# Altium PCB Clocker.PCBDOC (part 2 of 2)
Units mm, origin at the board's own origin, x right, y up, seen from the top; angles counter-clockwise.
Board outline 81.34 x 100 mm, 4 copper layers (Top, MP(G), L3, Bot), stack 1.624 mm thick; 210 components, 110 nets, 627 pads, 308 vias.
Unrouted connection lines stored in the file: 5.
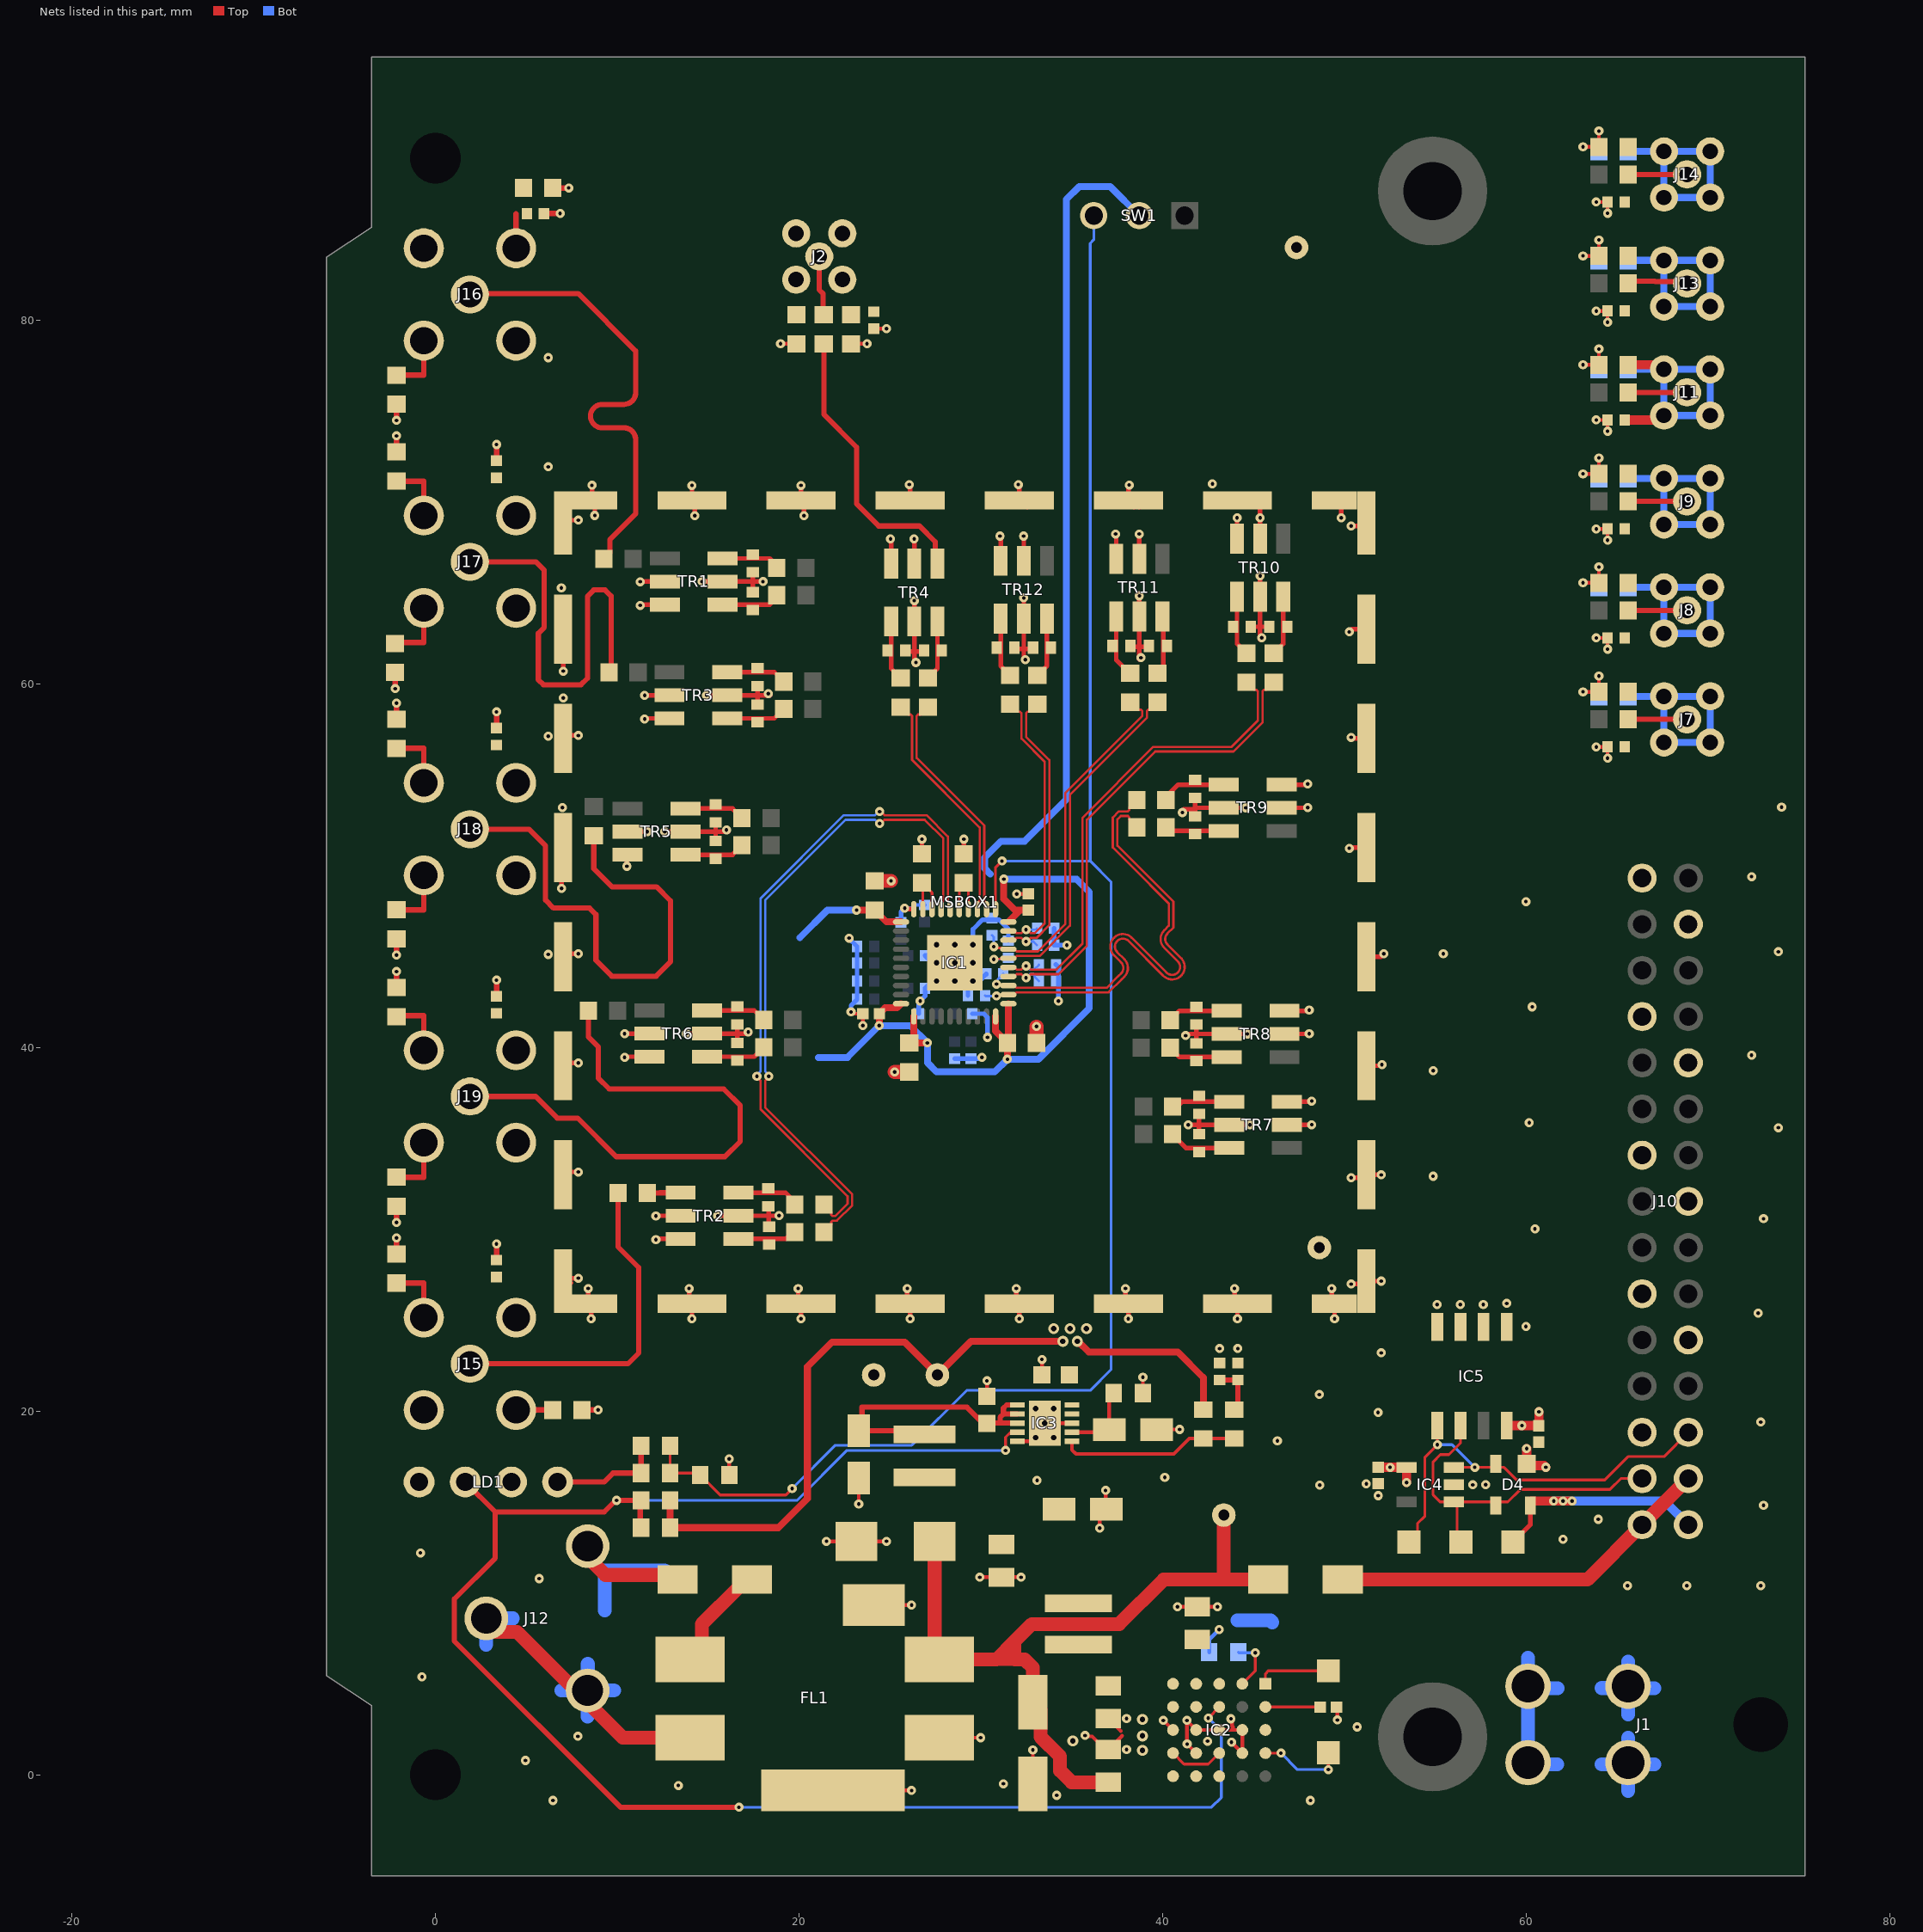
[diagram p4: the nets of this part, all layers, seen from the top]

## Via types
v1: diameter 0.5, hole 0.2, Top to Bot, tented both sides, 281 vias
v2: diameter 0.6, hole 0.3, Top to Bot, tented both sides, 14 vias
v3: diameter 0.6, hole 0.3, Top to Bot, 9 vias
v4: diameter 0.5, hole 0.2, Top to Bot, 4 vias

## Nets (pads, with @x,y where several pads share a name; then routed paths per layer and width w, separated by ;. In a path a pad name is that pad's centre, name@x,y a point inside that pad or via, vN(x,y) a via of type N, cw(c..) or ccw(c..) an arc to the next point about the centre after c; other vN are vias at no path point) (continued)
EEM_OUT6_N: C63.2 IC1.32 R12.1 | length 27
  Top w0.125: v1(30.86,42.822) 30.903,42.865 31.477,42.865 IC1.32@31.51,42.898 31.847,42.898 31.971,43.022 37.026,43.022 37.751,43.747 37.884,43.881 ccw(c37.398,44.367) 37.921,44.814 37.921,44.817 37.885,44.853 ; 37.884,44.854 37.502,45.236 cw(c37.811,45.544) 37.503,45.852 cw(c37.811,45.544) 38.119,45.851 40.033,43.937 ccw(c40.521,44.423) 40.967,43.899 40.97,43.899 41.044,43.973 41.044,43.976 ccw(c40.521,44.423) 41.044,44.869 41.044,44.872 41.008,44.909 ; C63.2@38.575,52.098 38.163,52.511 38.163,52.649 38.089,52.722 37.701,52.722 37.51,52.531 37.51,51.095 38.513,50.092 40.587,48.018 40.587,47.301 40.587,46.584 40.268,46.264 ccw(c40.576,45.956) 40.268,45.648 41.007,44.909
  Bot w0.125: R12.1@30.23,42.848 30.256,42.822 v1(30.86,42.822) v1@30.76,42.922
EEM_OUT6_P: C66.2 IC1.33 R11.1 | length 26.9
  Top w0.125: v1(30.86,43.474) 30.903,43.432 31.477,43.432 IC1.33@31.51,43.398 31.847,43.398 31.971,43.274 36.921,43.274 37.572,43.926 37.706,44.059 ccw(c37.398,44.367) 37.706,44.676 37.325,45.056 ; 37.325,45.057 cw(c37.811,45.544) 37.324,46.03 cw(c37.811,45.544) 38.257,46.067 38.26,46.067 38.297,46.031 ; 38.297,46.03 40.213,44.114 ccw(c40.521,44.423) 40.828,44.114 ccw(c40.521,44.423) 40.828,44.731 40.09,45.47 cw(c40.576,45.956) 40.09,46.443 40.335,46.688 40.335,47.553 40.335,47.913 38.246,50.002 37.258,50.991 37.258,52.636 37.596,52.974 38.089,52.974 38.163,53.048 38.163,53.186 C66.2@38.575,53.598
  Bot w0.125: v1(30.86,43.474) v1@30.934,43.548 ; v1@30.932,43.548 30.932,43.73 31.23,44.028 R11.1@31.23,44.048
EEM_OUT7_N: C74.2 IC1.34 R9.1 | length 27.5
  Top w0.125: IC1.34@31.51,43.898 31.847,43.898 31.971,44.022 32.225,44.022 32.426,43.822 v1(32.486,43.822) 32.547,43.822 32.747,44.022 34.269,44.022 35.833,45.587 35.833,47.263 35.833,50.806 35.833,52.511 39.592,56.269 43.897,56.269 43.971,56.343 44.365,56.738 45.338,57.711 45.486,57.859 45.486,59.587 45.56,59.661 45.698,59.661 C74.2@46.11,60.073
  Bot w0.125: v1(32.486,43.822) 32.512,43.822 32.712,44.022 32.889,44.022 32.963,43.949 32.963,43.875 R9.1@33.19,43.648
EEM_OUT7_P: C78.2 IC1.35 R8.1 | length 27
  Top w0.125: IC1.35@31.51,44.398 31.847,44.398 31.971,44.274 32.225,44.274 32.426,44.474 v1(32.486,44.474) 32.547,44.474 32.747,44.274 34.164,44.274 35.581,45.691 35.581,47.263 35.581,50.806 35.581,52.615 39.487,56.522 43.792,56.522 45.234,57.963 45.234,59.587 45.16,59.661 45.022,59.661 C78.2@44.61,60.073
  Bot w0.125: v1(32.486,44.474) 32.512,44.474 32.712,44.274 32.889,44.274 32.916,44.301 32.963,44.301 33.19,44.528 R8.1@33.19,44.548
EEM_OUT8_N: C84.2 IC1.36 R7.1 | length 20.1
  Top w0.125: v1(30.71,44.838) 30.74,44.868 31.48,44.868 IC1.36@31.51,44.898 31.847,44.898 31.971,45.022 33.236,45.022 34.9,46.686 34.9,53.887 39.131,58.118 39.131,58.492 39.205,58.566 39.303,58.566 C84.2@39.715,58.978
  Bot w0.125: v1(30.71,44.838) 31.419,44.838 R7.1@31.51,44.928
EEM_OUT8_P: C90.2 IC1.37 R5.1 | length 19.7
  Top w0.125: v1(30.71,45.538) 30.781,45.466 31.095,45.466 31.163,45.398 31.847,45.398 31.971,45.274 33.131,45.274 34.648,46.791 34.648,53.992 38.879,58.223 38.879,58.492 38.806,58.566 38.627,58.566 C90.2@38.215,58.978
  Bot w0.125: R5.1@30.61,46.168 30.71,46.068 v1(30.71,45.538)
EEM_OUT9_N: C94.2 IC1.38 R4.1 | length 17.6
  Top w0.125: IC1.38@31.51,45.898 31.847,45.898 31.971,46.022 32.225,46.022 32.426,45.822 v1(32.486,45.822) 32.547,45.822 32.747,46.022 33.069,46.022 33.761,46.714 33.761,55.803 32.486,57.078 32.486,58.377 32.56,58.451 32.698,58.451 C94.2@33.11,58.863 ; C94.2@33.11,58.863 32.707,58.46 C94.2@33.11,58.863
  Bot w0.125: v1(32.486,45.822) 32.887,45.822 R4.1@33.09,45.619
EEM_OUT9_P: C98.2 IC1.39 R3.1 | length 17.1
  Top w0.125: IC1.39@31.51,46.398 31.847,46.398 31.971,46.274 32.225,46.274 32.426,46.474 v1(32.486,46.474) 32.547,46.474 32.747,46.274 32.964,46.274 33.509,46.819 33.509,55.699 32.234,56.974 32.234,58.377 32.16,58.451 32.022,58.451 C98.2@31.61,58.863 ; C98.2@31.61,58.863 32.013,58.46 C98.2@31.61,58.863
  Bot w0.125: v1(32.486,46.474) 33.016,46.474 R3.1@33.09,46.548
GND: B1.1 B2.1 B3.1 C3.1 C4.2 C6.2 C7.2 C10.2 C12.1 C13.2 C14.1 C16.2 C17.2 C19.2 C21.1 C23.1 C24.2 C26.2 C27.1 C28.1 C30.1 C32.2 C33.2 C35.1 C36.1 C39.2 C40.2 C42.1 C43.1 C44.1 C45.1 C46.1 C47.1 C48.1 C49.2 C52.1 C53.2 C56.2 C57.1 C58.1 C61.2 C62.2 C64.1 C65.1 C68.2 C69.1 C70.1 C71.1 C72.2 C73.1 C75.2 C77.1 C79.1 C80.1 C81.2 C83.2 C85.2 C86.1 C87.2 C88.1 C89.1 C92.2 C93.2 C95.1 C96.1 C99.2 C100.1 C101.2 C102.2 C103.1 C104.1 D1.2 D4.1 FL1.4 IC1.10 IC1.41 IC2.B3 IC2.B4 IC2.C3 IC2.D3 IC2.D4 IC2.E3 IC3.5 IC3.8 IC3.11 IC4.2 IC5.1 IC5.2 IC5.3 IC5.4 J10.1 J10.4 J10.7 J10.10 J10.13 J10.16 J10.19 J10.22 J10.25 LD1.1 LD1.3 MSBOX1.1 MSBOX1.2 MSBOX1.3 MSBOX1.4 MSBOX1.5 MSBOX1.6 MSBOX1.7 MSBOX1.8 MSBOX1.9 MSBOX1.10 MSBOX1.11 MSBOX1.12 MSBOX1.13 MSBOX1.14 MSBOX1.15 MSBOX1.16 MSBOX1.17 MSBOX1.18 MSBOX1.19 MSBOX1.20 MSBOX1.21 MSBOX1.22 MSBOX1.23 MSBOX1.24 MSBOX1.25 MSBOX1.26 MSBOX1.27 MSBOX1.28 R1.1 R2.1 R3.2 R4.2 R5.2 R6.2 R7.2 R8.2 R9.2 R11.2 R12.2 R14.1 R15.2 R17.2 R19.2 R20.2 R21.1 R22.2 R23.2 R24.2 R25.2 R26.1 R27.2 R28.2 R29.2 R30.1 R31.2 R32.1 R33.1 R34.1 R35.2 R36.1 R37.1 R38.1 R39.2 R40.1 R42.1 TR1.1 TR1.2 TR1.5 TR2.1 TR2.2 TR2.5 TR3.1 TR3.2 TR3.5 TR4.1 TR4.2 TR4.5 TR5.1 TR5.2 TR5.5 TR6.1 TR6.2 TR6.5 TR7.1 TR7.2 TR7.5 TR8.1 TR8.2 TR8.5 TR9.1 TR9.2 TR9.5 TR10.1 TR10.2 TR10.5 TR11.1 TR11.2 TR11.5 TR12.1 TR12.2 TR12.5 | length 242.7
  Top w0.203: MSBOX1.7@7.16,33.426 7.16,34.079 MSBOX1.7@7.16,34.303 ; MSBOX1.8@7.33,26.893 7.484,27.048 MSBOX1.8@7.36,27.048 ; R6.2@16.16,16.488 16.16,17.142 v1(16.16,17.365) ; v1(18.983,78.688) 19.207,78.688 C17.2@19.86,78.688 ; v1(21.51,12.838) D1.2@23.16,12.838 v1(24.81,12.838) ; FL1.4@21.86,-0.862 25.963,-0.862 v1(26.187,-0.862) ; v1(22.86,41.948) 22.96,41.848 C46.1@23.51,41.848 v1(23.51,41.198) ; C13.2@22.86,78.688 23.513,78.688 v1(23.737,78.688) ; v4(23.285,14.888) C102.2@23.285,16.313 ; FL1.4@24.11,9.338 25.963,9.338 v1(26.187,9.338) ; R2.1@24.11,79.518 v1(24.808,79.518) v1@24.818,79.527 ; FL1.4@27.71,2.038 29.763,2.038 v1(29.987,2.038) ; v1(29.935,10.863) C86.1@31.135,10.863 ; C99.2@30.335,20.813 30.335,21.441 v1(30.335,21.665) ; C86.1@31.135,10.863 v1(32.212,10.863) ; v1(31.97,48.438) C42.1@32.61,48.438 ; IC3.5@32.01,18.338 33.11,18.338 33.51,18.738 v2(33.51,19.338) IC3.8@35.01,19.338 ; C87.2@32.86,-0.512 32.86,1.142 v1(32.86,1.365) ; C100.1@33.36,21.988 33.36,22.617 v1(33.36,22.84) ; v1(35.735,2.163) 35.792,2.106 36.117,2.106 36.835,1.388 C69.1@37.01,1.388 37.764,2.142 ; v1(36.535,13.563) 36.535,14.238 C85.2@36.91,14.613 36.86,14.663 v1(36.86,15.638) ; C70.1@37.01,3.088 37.687,2.411 ; R39.2@38.91,20.988 38.91,21.642 v1(38.91,21.865) ; C101.2@39.66,18.988 40.713,18.988 v1(40.937,18.988) ; v1(40.035,2.988) 40.04,2.988 40.56,2.468 IC2.E3@40.56,2.463 ; v4(40.81,9.238) C71.1@41.91,9.238 v4(43.01,9.238) ; v1@41.286,3.017 v1@41.34,2.963 ; v1(41.335,2.988) 41.34,2.983 v1@41.34,2.963 ; v1(41.345,1.688) 41.34,1.693 v1@41.34,2.963 ; v1@41.37,1.663 IC2.D4@41.84,1.193 ; v1(43.753,3.081) 43.809,3.024 43.809,2.682 43.86,2.632 43.86,2.463 ; v1(43.785,1.788) IC2.B4@44.38,1.193 IC2.B3@44.38,2.463 43.86,2.463 ; C80.1@49.56,3.713 49.61,3.663 v1(49.61,3.013) ; v1(63.119,59.551) C56.2@63.992,59.551 v1(63.992,60.424) ; v1(63.119,65.544) C64.1@63.992,65.544 v1(63.992,66.417) ; v1(63.119,71.536) C73.1@63.992,71.536 v1(63.992,72.41) ; v1(63.119,77.529) C79.1@63.992,77.529 v1(63.992,78.403) ; v1(63.119,83.522) C83.2@63.992,83.522 v1(63.992,84.395) ; v1(63.119,89.515) C95.1@63.992,89.515 v1(63.992,90.388) ; v1(63.848,56.522) R32.1@64.467,56.522 v1(64.467,55.902) ; v1(63.848,62.514) R33.1@64.467,62.514 v1(64.467,61.895) ; v1(63.848,68.507) R34.1@64.467,68.507 v1(64.467,67.888) ; v1(63.848,74.5) R36.1@64.467,74.5 v1(64.467,73.881) ; v1(63.848,80.493) R37.1@64.467,80.493 v1(64.467,79.873) ; v1(63.848,86.486) R38.1@64.467,86.486 v1(64.467,85.866) ; v1@41.34,2.963 IC2.D3@41.84,2.463 IC2.C3@43.11,2.463 43.86,2.463
  Top w0.254: v1(6.935,48.738) 6.935,50.758 MSBOX1.4@7.185,51.008 ; v1(7.035,60.688) 7.035,62.998 MSBOX1.2@7.185,63.148 ; MSBOX1.8@7.185,27.306 v1(7.86,27.306) ; MSBOX1.7@7.185,33.148 v1(7.86,33.148) ; MSBOX1.6@7.185,39.148 v1(7.86,39.148) ; MSBOX1.5@7.185,45.148 v1(7.86,45.148) ; MSBOX1.3@7.185,57.148 v1(7.86,57.148) ; MSBOX1.1@7.185,68.991 v1(7.86,68.991) ; v1(8.4,26.738) 8.4,26.063 8.56,25.903 v1(8.56,25.078) ; v1(8.608,70.908) 8.608,70.233 MSBOX1.1@8.767,70.073 v1(8.767,69.248) ; v1(10.405,39.448) 10.444,39.488 TR6.1@11.765,39.488 ; v1(10.405,40.748) 10.414,40.758 TR6.2@11.765,40.758 ; v1(10.535,49.958) 10.535,50.628 TR5.1@10.57,50.593 ; TR5.2@10.57,51.863 v1(11.66,51.863) ; v1(11.26,64.303) 11.299,64.343 TR1.1@12.62,64.343 ; v1(11.26,65.603) 11.269,65.613 TR1.2@12.62,65.613 ; v1(11.51,58.053) 11.549,58.093 TR3.1@12.87,58.093 ; v1(11.51,59.353) 11.519,59.363 TR3.2@12.87,59.363 ; v1(12.125,29.428) 12.165,29.468 TR2.1@13.485,29.468 ; v1(12.125,30.728) 12.135,30.738 TR2.2@13.485,30.738 ; v1(12.61,51.863) 15.41,51.863 ; v1(13.805,40.758) TR6.5@14.945,40.758 16.605,40.758 ; v1(13.95,26.738) 13.95,26.063 MSBOX1.9@14.11,25.903 v1(14.11,25.078) ; v1(14.11,70.898) MSBOX1.28@14.11,70.073 14.27,69.913 v1(14.27,69.238) ; v1(14.66,65.613) TR1.5@15.8,65.613 17.46,65.613 ; v1(14.91,59.363) 17.71,59.363 ; C27.1@15.41,51.353 15.41,51.863 ; C24.2@15.41,52.373 15.41,51.863 ; v1(15.525,30.738) 18.325,30.738 ; v1(16.01,51.953) 16.019,51.953 16.11,51.863 15.41,51.863 ; C35.1@16.605,40.248 16.605,40.758 ; C32.2@16.605,41.268 16.605,40.758 ; v1(17.205,40.848) 17.214,40.848 17.305,40.758 16.605,40.758 ; C14.1@17.46,65.103 17.46,65.613 ; C10.2@17.46,66.123 17.46,65.613 ; C21.1@17.71,58.853 17.71,59.363 ; C19.2@17.71,59.873 17.71,59.363 ; v1@18.069,65.703 18.016,65.65 v1(18.016,65.613) 17.46,65.613 ; v1(18.31,59.453) 18.319,59.453 18.41,59.363 17.71,59.363 ; C3.1@18.325,30.228 18.325,30.738 ; C6.2@18.325,31.248 18.325,30.738 ; v1(18.904,30.747) 18.904,30.796 18.935,30.828 19.025,30.738 18.325,30.738 ; v1(19.95,26.738) 19.95,26.063 MSBOX1.10@20.11,25.903 v1(20.11,25.078) ; v1(20.11,70.898) MSBOX1.27@20.11,70.073 20.27,69.913 v1(20.27,69.238) ; v1(25.03,67.963) 25.07,67.923 TR4.1@25.07,66.603 ; v1(25.81,47.648) 25.86,47.598 IC1.10@26.31,47.598 ; C12.1@25.83,61.763 26.34,61.763 ; v1(25.95,26.738) 25.95,26.063 MSBOX1.11@26.11,25.903 v1(26.11,25.078) ; v1(26.06,70.948) 26.11,70.898 MSBOX1.26@26.11,70.073 ; v1(26.33,67.963) 26.34,67.953 TR4.2@26.34,66.603 ; v1(26.34,64.563) 26.34,61.763 ; v1(26.43,61.163) 26.43,61.153 26.34,61.063 26.34,61.763 ; C28.1@26.76,50.648 v1(26.76,51.448) ; C16.2@26.85,61.763 26.34,61.763 ; C23.1@29.06,50.648 v1(29.06,51.448) ; v1(31.05,68.113) 31.09,68.073 TR12.1@31.09,66.753 ; C96.1@31.85,61.913 32.36,61.913 ; v1(31.95,26.738) 31.95,26.063 MSBOX1.12@32.11,25.903 v1(32.11,25.078) ; v1(32.06,70.948) 32.11,70.898 MSBOX1.25@32.11,70.073 32.177,70.073 MSBOX1.25@32.55,69.7 ; v1(32.35,68.113) 32.36,68.103 TR12.2@32.36,66.753 ; v1(32.36,64.713) 32.36,61.913 ; v1(32.45,61.313) 32.45,61.303 32.36,61.213 32.36,61.913 ; C93.2@32.87,61.913 32.36,61.913 ; TR11.1@37.445,66.868 37.445,68.188 v1(37.405,68.228) v1@37.466,68.228 ; v1(37.95,26.738) 37.95,26.063 MSBOX1.13@38.11,25.903 v1(38.11,25.078) ; v1(38.16,70.923) 38.11,70.873 MSBOX1.24@38.11,70.073 ; C88.1@38.205,62.028 38.715,62.028 ; MSBOX1.24@38.43,69.7 38.11,70.02 MSBOX1.24@38.11,70.073 ; v1(38.705,68.228) 38.715,68.218 TR11.2@38.715,66.868 ; MSBOX1.24@38.705,69.7 38.332,70.073 MSBOX1.24@38.11,70.073 ; v1(38.715,64.828) 38.715,62.028 ; v1(38.805,61.428) 38.805,61.418 38.715,61.328 38.715,62.028 ; C81.2@39.225,62.028 38.715,62.028 ; v1(41.086,52.914) 41.166,52.994 41.166,53.084 41.776,53.084 C62.2@41.776,52.664 ; v1(41.26,40.648) 41.25,40.648 41.16,40.738 41.86,40.738 ; v1(41.41,35.738) 41.41,35.673 41.385,35.648 41.295,35.738 41.995,35.738 ; C65.1@41.776,53.684 41.776,53.174 v1(44.576,53.174) ; C53.2@41.86,40.228 41.86,40.738 ; C57.1@41.86,41.248 41.86,40.738 ; C40.2@41.995,35.228 41.995,35.738 ; C48.1@41.995,36.248 41.995,35.738 ; v1(43.95,26.738) 43.95,26.063 MSBOX1.14@44.11,25.903 v1(44.11,25.078) ; TR10.1@44.09,67.963 v1(44.09,69.113) ; v1(44.66,40.738) TR8.5@43.52,40.738 41.86,40.738 ; v1(44.795,35.738) TR7.5@43.655,35.738 41.995,35.738 ; C77.1@44.85,63.123 45.36,63.123 ; v1(45.36,65.923) TR10.5@45.36,64.783 45.36,63.123 ; TR10.2@45.36,67.963 MSBOX1.23@45.36,69.787 ; v1(45.45,62.523) 45.45,62.513 45.36,62.423 45.36,63.123 ; C72.2@45.87,63.123 45.36,63.123 ; TR9.2@46.616,53.174 47.966,53.174 v1(47.976,53.184) ; TR9.1@46.616,54.444 v1@47.936,54.444 ; TR8.2@46.7,40.738 v1@48.05,40.738 ; TR8.1@46.7,42.008 v1@48.02,42.008 ; TR7.2@46.835,35.738 48.185,35.738 v1(48.195,35.748) ; TR7.1@46.835,37.008 48.155,37.008 v1(48.195,37.048) ; v1(49.293,26.738) 49.293,26.063 MSBOX1.15@49.452,25.903 v1(49.452,25.078) ; v1(49.82,69.113) MSBOX1.22@49.82,69.788 ; v1(50.26,50.948) 50.3,50.988 MSBOX1.19@51.195,50.988 ; v1(50.26,62.848) 50.4,62.988 MSBOX1.21@51.195,62.988 ; v1(50.36,26.986) 51.035,26.986 MSBOX1.15@51.195,27.146 v1(52.02,27.146) ; v1(50.36,32.828) 51.035,32.828 MSBOX1.16@51.195,32.988 v1(52.02,32.988) ; v1(50.36,57.048) 50.42,56.988 MSBOX1.20@51.195,56.988 ; v1(50.36,68.671) 51.035,68.671 MSBOX1.22@51.195,68.831 MSBOX1.22@51.195,70.017 ; MSBOX1.17@51.195,38.988 52,38.988 v1(52.06,39.048) ; MSBOX1.18@51.195,44.988 52,44.988 v1(52.16,45.148)
  Top w0.305: v1(-2.216,59.726) C36.1@-2.216,60.613 ; C4.2@-2.14,28.638 v1(-2.14,29.524) ; v1(-2.14,30.376) C49.2@-2.14,31.262 ; C52.1@-2.14,43.286 v1(-2.14,44.172) ; v1(-2.14,45.076) C39.2@-2.14,45.962 ; C47.1@-2.14,58.038 v1(-2.14,58.924) ; C33.2@-2.14,72.738 v1(-2.14,73.624) ; v1(-2.14,74.476) C26.2@-2.14,75.362 ; R1.1@3.36,28.308 v1(3.36,29.194) ; R30.1@3.36,42.811 v1(3.36,43.697) ; R26.1@3.36,57.563 v1(3.36,58.449) ; R21.1@3.36,72.263 v1(3.36,73.149) ; R14.1@5.97,85.851 v1(6.857,85.851) ; C30.1@6.445,87.259 v1(7.332,87.259) ; C7.2@8.06,20.06 v1(8.947,20.06)
  Top w0.508: v1(60.018,17.942) D4.1@60.018,17.104 60.121,17.001 60.977,17.001 v1(61.069,16.909)
  Top w0.762: C45.1@24.16,49.148 v1(25.06,49.148) ; v1(25.26,38.648) C43.1@26.06,38.648 ; C44.1@33.06,40.248 v1(33.06,41.148)
  Bot w0.203: v1(25.81,47.648) 26.175,47.648 26.36,47.833 R31.2@26.91,47.833 ; R35.2@42.56,6.738 42.56,7.438 v1(43.11,7.988)
  Bot w0.254: v1(22.75,46.008) 22.75,45.988 R28.2@23.19,45.548 R27.2@23.19,44.648 R23.2@23.19,43.648 R22.2@23.19,42.648 23.19,42.628 22.86,42.298 v1(22.86,41.948) ; R29.2@25.61,46.868 25.61,47.448 v1(25.81,47.648) ; R20.2@26.59,41.848 26.59,42.478 v1(26.66,42.548) 26.93,42.818 R24.2@26.93,43.248 27.33,43.648 v3(27.56,43.648) ; R25.2@27.16,45.048 R25.2@26.93,45.048 27.33,44.648 v3(27.56,44.648) ; R17.2@28.56,39.378 R15.2@29.46,39.378 29.99,39.378 v1(30.06,39.448) ; R12.2@29.29,42.848 29.29,43.378 v3(29.56,43.648) 29.92,43.648 30.29,44.018 R11.2@30.29,44.048 ; R19.2@29.53,41.848 30.16,41.848 30.36,41.648 v1(30.36,40.548) ; v3(29.56,45.648) 29.56,46.488 30.09,47.018 30.99,47.018 31.51,46.498 R7.2@31.51,45.868 ; R3.2@34.03,46.548 R4.2@34.03,45.619 v1(34.731,45.619) ; R8.2@34.13,44.548 34.26,44.418 v1(34.26,42.548)
  other v1: 6.46,-1.412 48.125,-1.411 34.173,-1.13 13.36,-0.588 31.238,-0.494 4.956,0.788 38.012,1.389 42.469,1.848 7.834,2.114 50.695,2.632 38.012,3.089 -0.74,5.386 65.568,10.401 68.832,10.401 72.898,10.401 5.71,10.787 -0.824,12.2 62.014,12.95 63.957,14.05 73.046,14.813 51.854,15.351 48.64,15.928 57.058,15.946 57.768,15.954 51.201,16.004 33.093,16.188 40.117,16.353 46.308,18.363 72.898,19.396 51.844,19.919 48.61,20.91 52.02,23.204 43.129,23.438 44.129,23.438 59.977,24.652 72.75,25.387 55.087,25.857 56.37,25.857 57.634,25.857 58.92,25.918 60.472,30.017 73.046,30.579 54.872,32.912 73.857,35.582 60.158,35.862 54.876,38.713 72.39,39.573 48.06,40.748 48.06,42.048 60.325,42.228 6.21,45.113 55.435,45.151 73.857,45.257 59.977,48.018 72.39,49.386 6.985,53.188 74.041,53.213 47.976,54.484 6.21,57.113 7.035,59.213 6.925,65.263 45.36,69.113 6.2,71.926 6.2,77.926
  other v2: 38.885,1.338 35.06,1.863 38.885,2.138 38.885,3.038 33.01,18.538 34.01,18.538 33.01,20.138 34.01,20.138
  other v3: 28.56,43.648 28.56,44.648 29.56,44.648 27.56,45.648 28.56,45.648
  other v4: 42.735,70.988
GND0: C26.1 C30.2 J16.2 R14.2 | length 5.3
  Top w0.305: C26.1@-2.14,76.962 -0.64,76.962 J16.2@-0.64,78.86 ; J16.2@4.44,83.94 4.44,85.838
GND1: C33.1 C36.2 J17.2 R21.2 | length 6.8
  Top w0.305: C36.2@-2.14,62.262 -0.64,62.262 J17.2@-0.64,64.16 ; C33.1@-2.14,71.138 -0.64,71.138 J17.2@-0.64,69.24
GND2: C39.1 C47.2 J18.2 R26.2 | length 6.8
  Top w0.305: C39.1@-2.14,47.562 -0.64,47.562 J18.2@-0.64,49.46 ; C47.2@-2.14,56.438 -0.64,56.438 J18.2@-0.64,54.54
GND3: C49.1 C52.2 J19.2 R30.2 | length 6.8
  Top w0.305: C49.1@-2.14,32.862 -0.64,32.862 J19.2@-0.64,34.76 ; C52.2@-2.14,41.738 -0.64,41.738 J19.2@-0.64,39.84